# Altium PCB LED_Controller.PcbDoc
Units mm, origin at the board's own origin, x right, y up, seen from the top; angles counter-clockwise.
Board outline 82.55 x 55.77 mm, 4 copper layers (Top Layer, L2 - GND, L3 - POWER, Bottom Layer), stack 0.603 mm thick; 56 components, 32 nets, 200 pads, 53 vias.
Unrouted connection lines stored in the file: 5.
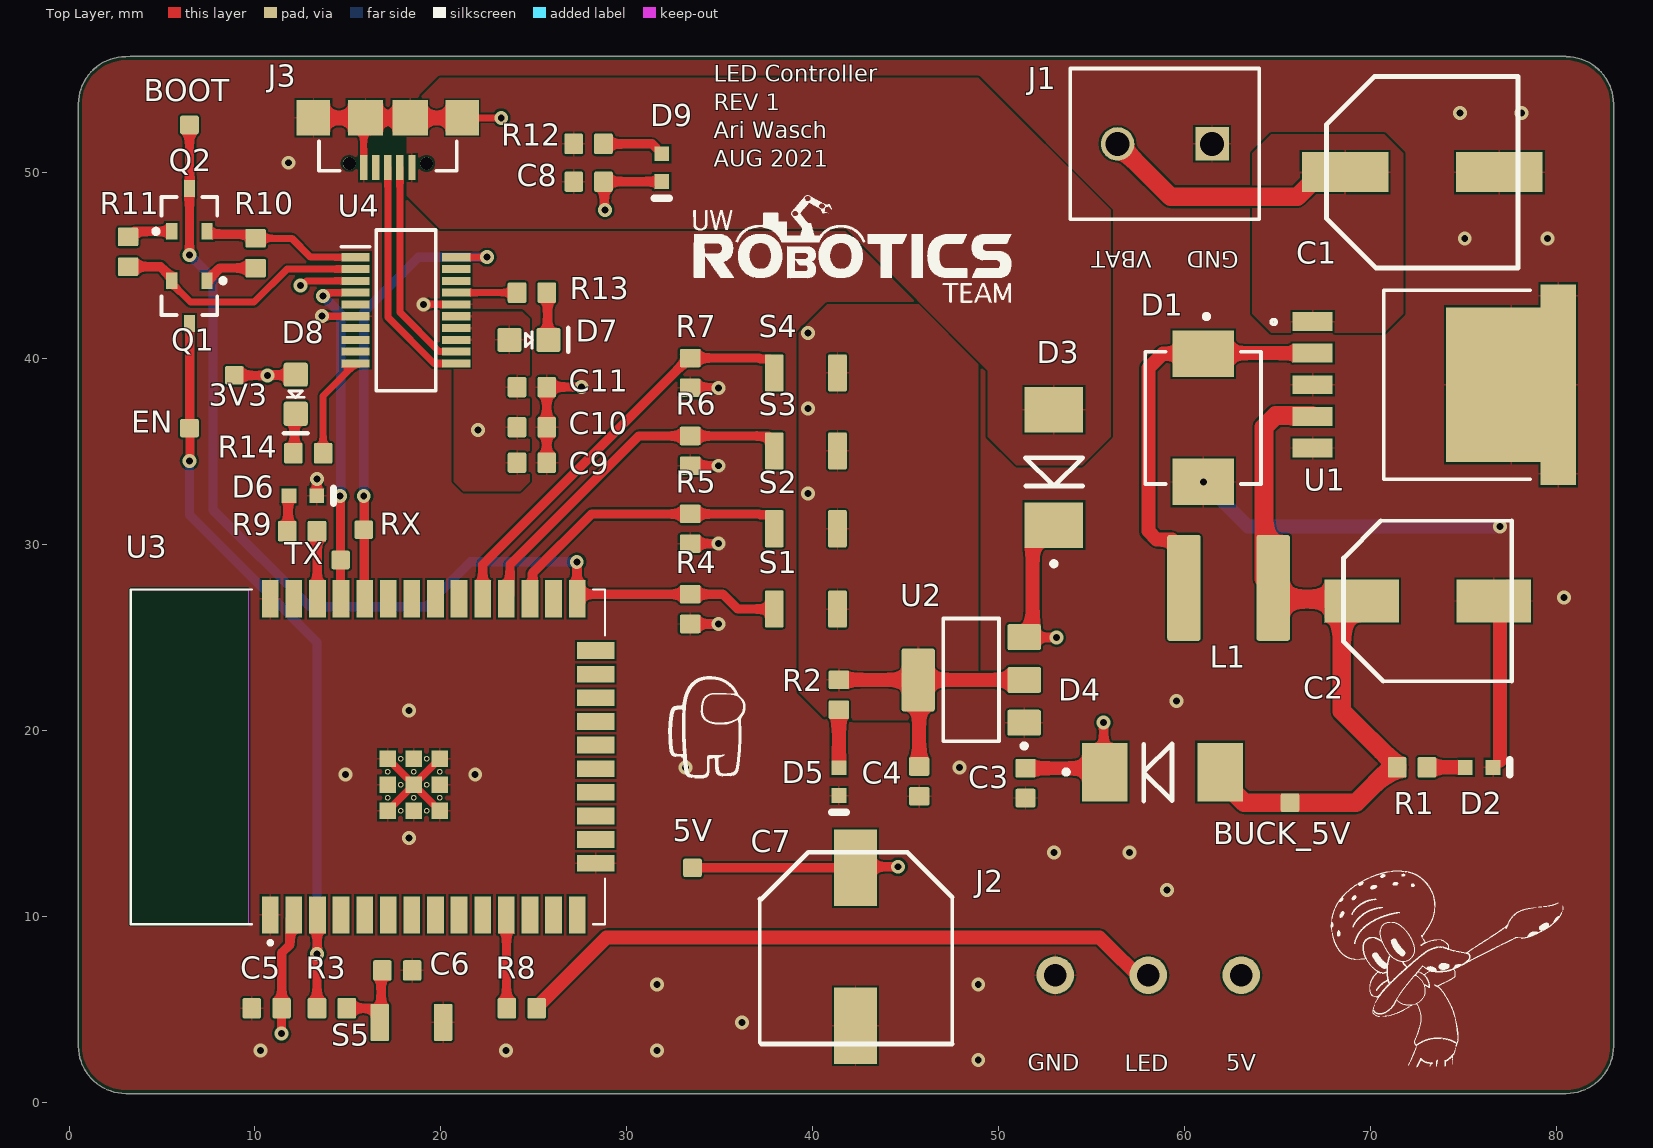
[diagram p0: Top Layer view]
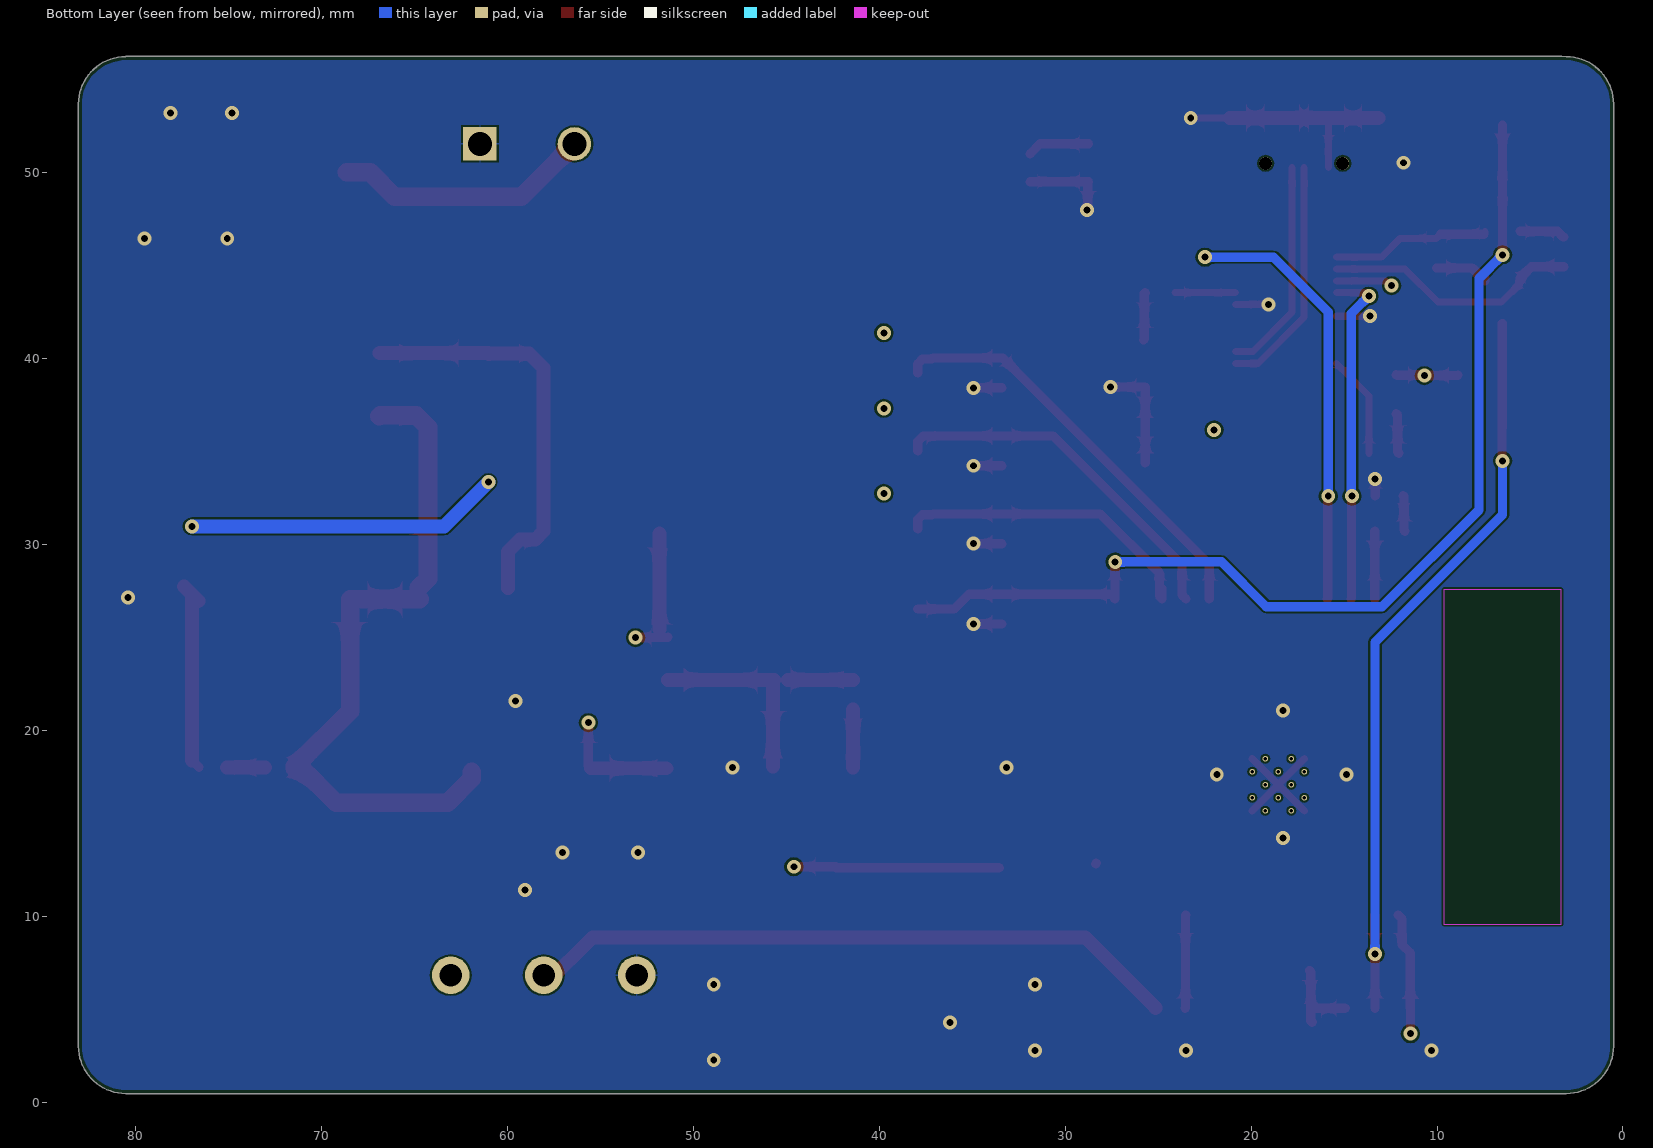
[diagram p1: Bottom Layer view, seen from below]
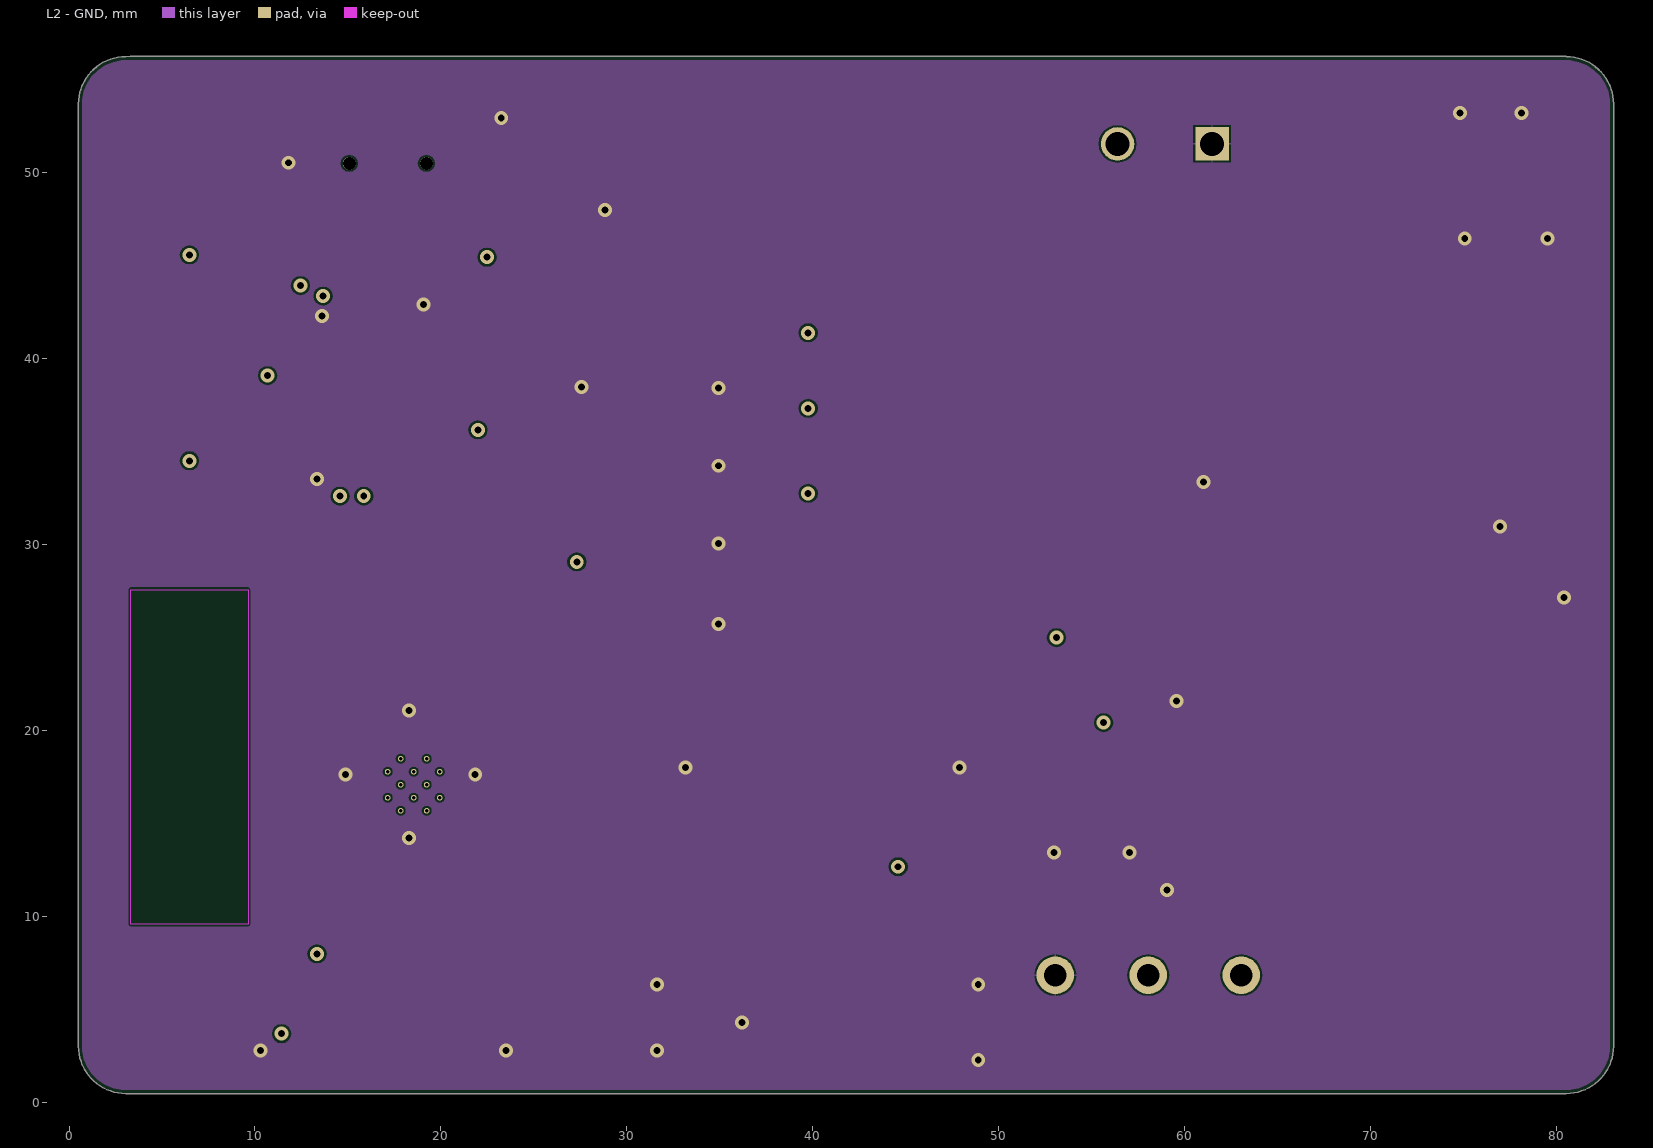
[diagram p2: L2 - GND]
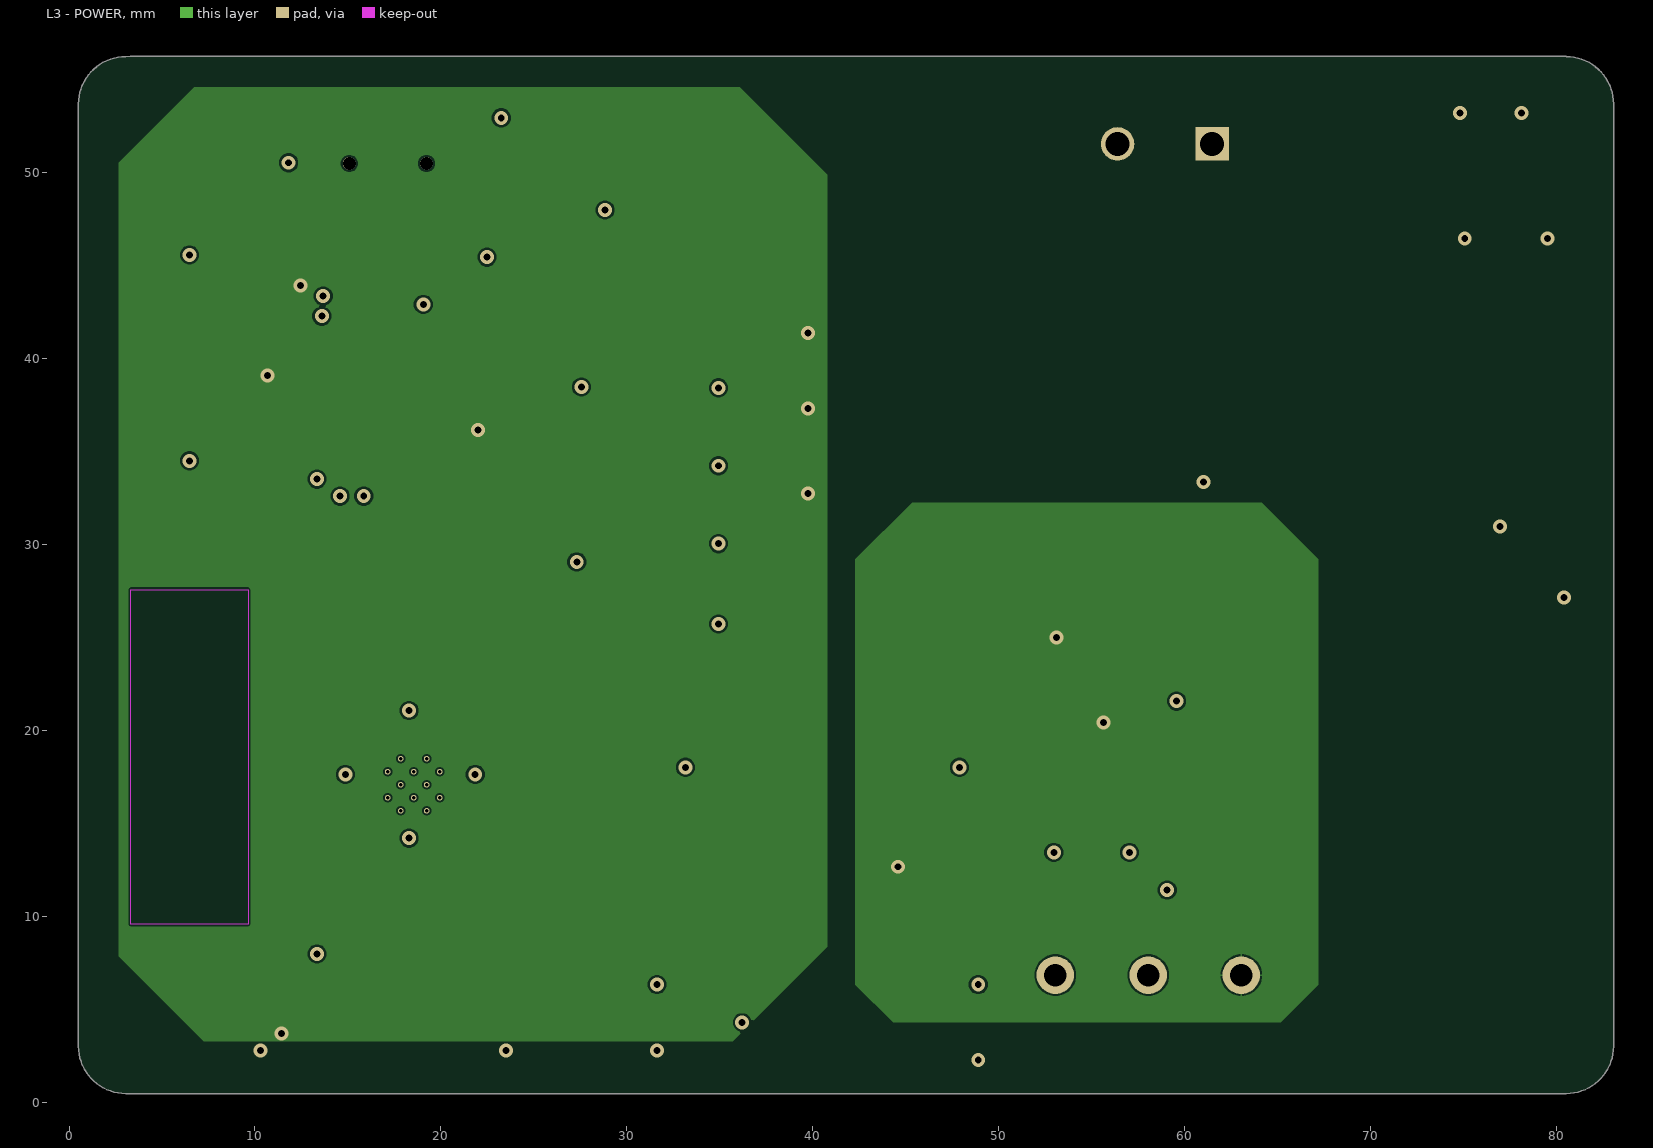
[diagram p3: L3 - POWER]
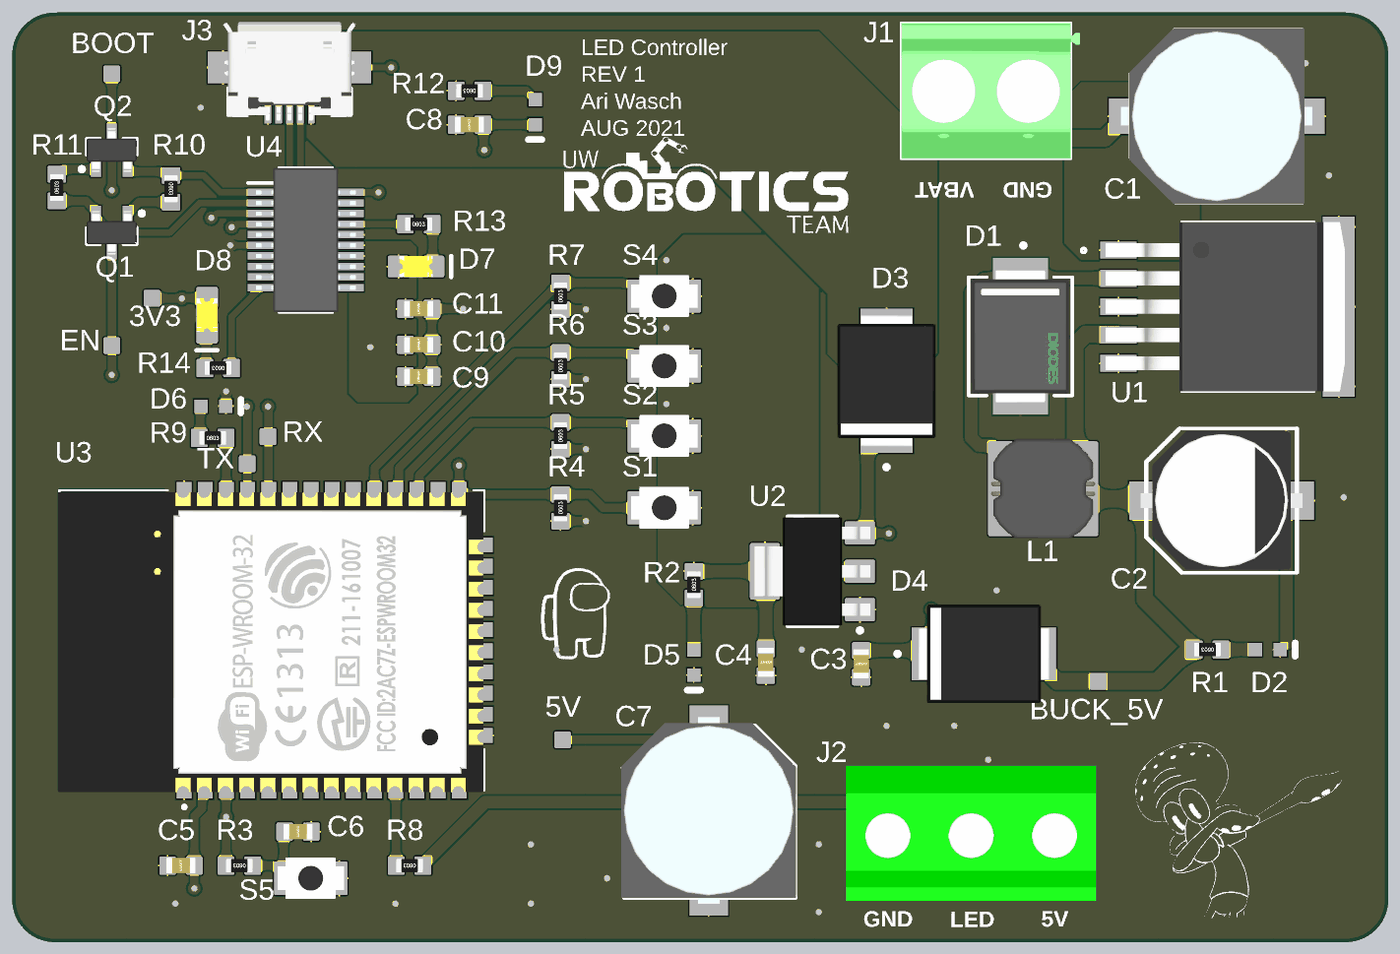
[diagram p4: 3D render of the assembled board from above, using the file's embedded part models]

## Layer stack, top to bottom
Top Solder: solder mask 0.0102, Solder Resist, Dk 3.5
Top Layer: signal copper 0.0356
Dielectric 2: prepreg 0.0711, PP-006, Dk 4.1
L2 - GND: signal copper 0.035
Dielectric 1: dielectric 0.32, FR-4, Dk 4.8
L3 - POWER: signal copper 0.035
Dielectric 3: prepreg 0.0711, PP-006, Dk 4.1
Bottom Layer: signal copper 0.0356
Bottom Solder: solder mask 0.0102, Solder Resist, Dk 3.5

## Board outline
0.508,3.032 ccw(c3.048,3.032) 3.048,0.492 80.518,0.492 ccw(c80.518,3.032) 83.058,3.032 83.058,53.467 83.058,53.71 ccw(c80.518,53.71) 80.518,56.25 80.518,56.261 3.302,56.261 3.048,56.25 ccw(c3.048,53.71) 0.508,53.71 0.508,53.721

## Design rules (kind name [scope] priority, off if disabled: settings)
BoardOutlineClearance [All] p1: gap=0.2 ignorepadtopadclearanceinfootprint=FALSE
Clearance [All] p1: gap=0.102 ignorepadtopadclearanceinfootprint=TRUE except(0: Arc-Text Arc-Hole Track-Text Track-Hole SMDPad-Text SMDPad-Hole THPad-Text THPad-Hole Via-Text Via-Hole Fill-Text Fill-Hole Poly-Text Poly-Hole Region-Text Region-Hole Text-Text Text-Hole; 0.127: Arc-Via Track-Via SMDPad-Via THPad-Via Via-Via Via-Fill Via-Poly Via-Region)
ComponentClearance [All] p1: gap=0.102 collisioncheckmode=3 verticalgap=0.102 showdistances=TRUE
DiffPairsRouting [All] p1: maxlimit=0.102 minlimit=0.102 mostfreqgap=0.102 toplayer_minwidth=0.102 toplayer_maxwidth=1816.048 toplayer_prefwidth=0.102 midlayer1_minwidth=0.102 midlayer1_maxwidth=1816.048 midlayer1_prefwidth=0.102 midlayer2_minwidth=0.102 midlayer2_maxwidth=1816.048 midlayer2_prefwidth=0.102 bottomlayer_minwidth=0.102 bottomlayer_maxwidth=1816.048 bottomlayer_prefwidth=0.102 maxuncoupledlength=12.7
Height [All] p1: minheight=0 maxheight=1816.048 prefheight=12.7
HoleSize [All] p1: absolutevalues=TRUE maxlimit=6.3 minlimit=0.2 maxpercent=80.000 minpercent=20.000
HoleToHoleClearance [All] p1: gap=0.25 allowstackedmicrovias=FALSE
MinimumAnnularRing [All] p1: minimumring=0.05
MinimumSolderMaskSliver [All] p1: minsoldermaskwidth=0
PlaneClearance [All] p1: clearance=0.102
PlaneConnect PlaneConnectPowerPads [InPadClass('PowerPads')] p1: planeconnectstyle=Direct reliefexpansion=0.508 reliefentries=4 reliefconductorwidth=0.254 reliefairgap=0.254
PlaneConnect [All] p2: pad.planeconnectstyle=Relief pad.reliefexpansion=0.3 pad.reliefentries=4 pad.reliefconductorwidth=0.102 pad.reliefairgap=0.102 via.planeconnectstyle=Direct via.reliefexpansion=0.3 via.reliefentries=4 via.reliefconductorwidth=0.127 via.reliefairgap=0.127
PolygonConnect PolygonConnectPowerPads [All vs (InPadClass('PowerPads'))] p1: connectstyle=Direct reliefconductorwidth=0.254 reliefentries=4 polygonreliefangle="90 Angle" airgapwidth=0.254
PolygonConnect [All] p2: thpad.connectstyle=Relief thpad.reliefconductorwidth=0.102 thpad.reliefentries=4 thpad.polygonreliefangle="90 Angle" thpad.airgapwidth=0.102 smdpad.connectstyle=Relief smdpad.reliefconductorwidth=0.102 smdpad.reliefentries=4 smdpad.polygonreliefangle="90 Angle" smdpad.airgapwidth=0.102 via.connectstyle=Direct via.reliefconductorwidth=0.127 via.reliefentries=4 via.polygonreliefangle="90 Angle" via.airgapwidth=0.127
RoutingVias [All] p1: holewidth=0.2 width=0.45 viastyle="Through Hole" minholewidth=0.2 minwidth=0.45 maxholewidth=6.3 maxwidth=6.55
SilkToSilkClearance [All] p1: silktosilkclearance=0
SilkToSolderMaskClearance [IsPad] p1: minsilkscreentomaskgap=0 clearancetoexposedcopper=TRUE
SolderMaskExpansion [All] p1: expansion=0.075 istentingtop=FALSE
Width [All] p1: maxlimit=1816.048 minlimit=0.102 preferedwidth=0.102
20 further rules are at their usual default settings.

## Classes and differential pairs
component class USB: C8 C9 C10 C11 D7 D8 D9 J3 Q1 Q2 R10 R11 R12 R13 R14 RX TX U4
component class Power: 3V3 5V BUCK_5V C1 C2 C3 C4 D1 D2 D3 D4 D5 J1 L1 R1 R2 U1 U2
component class MCU: BOOT C5 C6 C7 D6 EN J2 R3 R4 R5 R6 R7 R8 R9 S1 S2 S3 S4 S5 U3

## Components (designator, comment, footprint, x,y, rotation, side; value= is the part's Value field where it differs from the comment)
3V3 "TESTPOINT_1MM_SQUARE" TESTPOINT_SQUARE_1MM 8.89,39.116 r90 top (schematic designator TP2)
5V "TESTPOINT_1MM_SQUARE" TESTPOINT_SQUARE_1MM 33.528,12.624 r0 top (schematic designator TP3)
BOOT "TESTPOINT_1MM_SQUARE" TESTPOINT_SQUARE_1MM 6.477,52.578 r270 top (schematic designator TP4)
BUCK_5V "TESTPOINT_1MM_SQUARE" TESTPOINT_SQUARE_1MM 65.659,16.129 r180 top (schematic designator TP1)
C1 "CAP_470uF_35V_ALUM" CAPAE1030X1100N 72.771,50.038 r0 top
C2 "220uF" CAP_8x10.2 73.059,26.976 r0 top
C3 "CAP_4.7uF_35V_0603" CAP0603 51.435,17.183 r90 top value=4.7μF
C4 "CAP_4.7uF_35V_0603" CAP0603 45.72,17.277 r90 top value=4.7μF
C5 "CAP_0.1uF_16V_0603" CAP0603 10.63,5.08 r0 top value=0.1μF
C6 "CAP_0.1uF_16V_0603" CAP0603 17.653,7.112 r180 top value=0.1μF
C7 "CAP_1000uF_16V_ALUM" CAPAE1030X1050N 42.291,8.382 r270 top
C8 "CAP_10nF_50V_0603" CAP0603 27.94,49.53 r0 top value=10nF
C9 "CAP_0.1uF_16V_0603" CAP0603 24.892,34.417 r180 top value=0.1μF
C10 "CAP_0.1uF_16V_0603" CAP0603 24.892,36.322 r180 top value=0.1μF
C11 "CAP_0.1uF_16V_0603" CAP0603 24.892,38.481 r180 top value=0.1μF
D1 "B550C-13-F" FP-SMC-MFG 60.993,36.83 r270 top
D2 "HSMG-C190" AVAG-HSMX-C190_V 75.831,18.034 r0 top
D3 "DIO_SCHOTTKY_40V_5A" "DO214AB SMC" 52.959,34.163 r270 top
D4 "DIO_SCHOTTKY_40V_5A" "DO214AB SMC" 58.801,17.78 r180 top
D5 "HSMG-C190" AVAG-HSMX-C190_V 41.402,17.26 r270 top
D6 "HSMG-C190" AVAG-HSMX-C190_V 12.573,32.639 r0 top
D7 "LED_YELLOW" LED_0805_YELLOW 24.731,41.021 r0 top
D8 "LED_YELLOW" LED_0805_YELLOW 12.192,38.1 r270 top
D9 "HSMG-C190" AVAG-HSMX-C190_V 31.877,50.28 r270 top